# KiCad board Mainboard.kicad_pcb (continued)
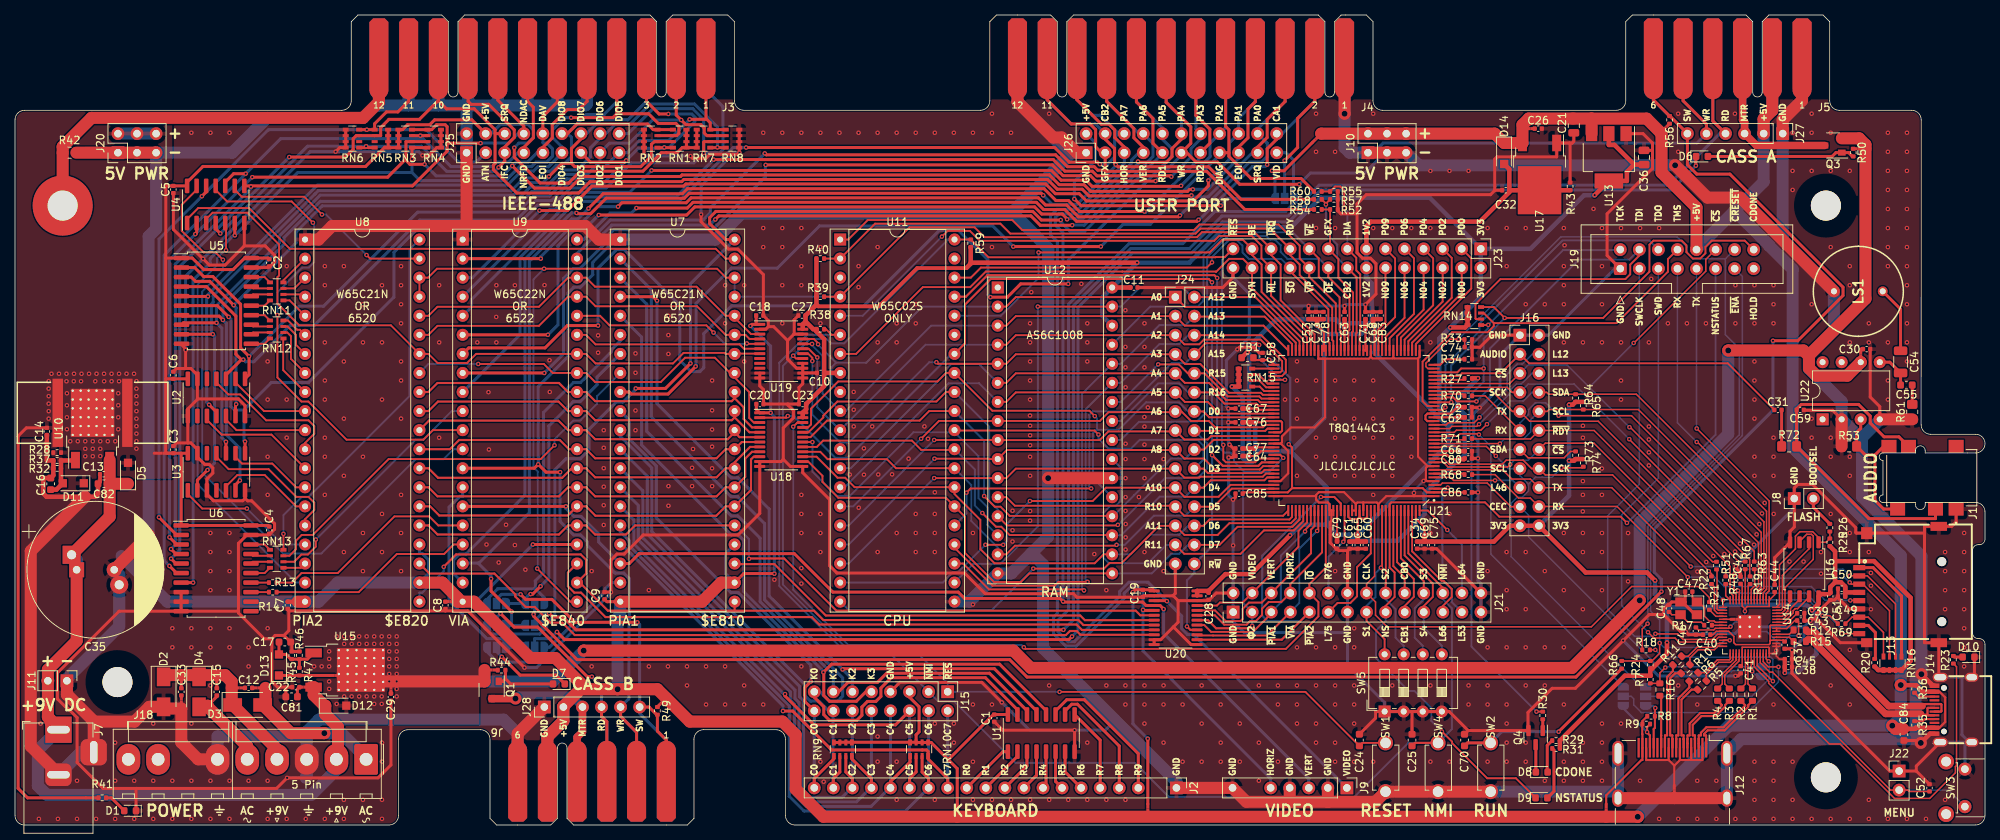
[diagram p0: board, top side]
## Routing (per net, layer and track width the routed paths; a pad name or vN(x,y) marks a point on that pad's centre or on a via; arc(x,y) is an arc through that point) (continued)
  Bottom w0.28: v1(187.7,45.85) 186.41,44.56 v1(186.41,44.25)
  Bottom w0.4: v1(90.01,89.15) 90,89.16 v1(83.7,89.16) ; v1(91.42,81.36) 91.42,85.18 95.83,89.59 v1(96.53,89.59) ; 238.36,26.41 U14.57 ; 238.36,26.41 238.36,24.91 v1(236.78,23.33) ; 238.36,26.41 238.42,26.41 v1(239.23,27.22) ; 177.56,25.65 J21.13 J21.14 ; 177.56,25.65 177.56,21.27 182.5,16.33 SW5.1 ; 177.56,25.65 163.79,25.65 162.31,27.12 J21.1 J21.2 v1(162.31,37.26) 162.31,43.35 v1(162.3,43.37) 161.72,43.95 v1(161.72,48.98) ; 162.3,74.24 162.3,72.99 164.47,70.82 164.47,69.17 ; J14.S1 260.41,11.04 ; 260.41,11.04 260.08,11.04 ; 260.41,11.04 259.43,12.02 259.43,19.69 ; 164.47,69.17 164.47,64.98 v1(162.88,63.39) 161.41,61.92 161.41,55.78 v1(161.68,55.51) v1(161.68,53.67) 161.68,50.85 v1(161.84,50.69) ; 164.47,69.17 v1(172.37,69.17) v1(177.16,69.17) 177.35,69.36 v1(179.94,69.36) ; v1(229.25,19.87) 219,19.87 v1(214.29,24.58) ; v1(22.73,63.3) 22.73,73.13 v1(25.06,75.46) 39.33,89.74 v1(42.72,89.74) 53.79,89.74 v1(54.3,89.23) ; SW3.1 259.82,10.78 260.08,11.04 ; J21.27 J21.28 195.33,32.17 194.94,32.56 v1(194.94,44.33) 194.94,48.85 v1(194.94,48.85) 194.94,51.17 194.36,51.74 194.36,54.83 v1(195.15,55.62) 197.88,58.34 197.88,62.63 J16.1 J16.2 204.32,65.28 213.19,74.15 J19.1 ; J14.S1 260.08,11.04 ; U14.57 229.87,26.2 229.16,25.49 222.88,25.49 v1(222.62,25.75) ; PT9.2 37.02,6.28 v1(36.26,6.28) ; 259.43,19.69 J14.S1 ; 259.43,19.69 J14.S1 ; PT33.2 145.28,12.64 v1(141.19,12.64) 135.19,12.64 v1(131.49,16.34) ; J8.1 237.09,42.26 v1(229.31,34.48) ; v1(67.88,20.98) 69.48,20.98 79.41,30.9 v1(79.41,31.04)
  Bottom w1.6: 52.42,95.91 48.49,95.91 ; 52.42,95.91 56.4,95.91 ; 52.42,95.91 52.45,95.94 J3.M ; 48.49,95.91 48.49,95.91 48.49,96.95 48.49,96.95 J3.N ; 48.49,95.91 48.06,95.91 46.38,94.23 33.57,94.23 28.94,89.6 J20.5 18.8,79.44 17.81,78.45 v2(17.81,38.68) ; 133.06,81.48 137.69,76.85 137.69,75.77 137.67,75.74 v2(137.67,46.23) 137.67,38.44 135.4,36.18 ; 133.06,81.48 133.06,81.86 140.8,89.6 ; 133.06,81.48 96.79,81.48 93.33,78.02 U7.1 ; J12.SH J12.SH 230,11.44 253.07,11.44 253.26,11.63 ; 38.87,11.81 26.99,11.81 J18.6 ; 38.87,11.81 38.87,12.43 40.47,14.04 65.1,14.04 66.98,12.17 ; 38.87,11.81 J18.3 38.87,6.42 PT9.1 ; 146.48,14.06 136.99,23.56 136.99,34.71 135.51,36.18 135.4,36.18 ; 146.48,14.06 154.76,5.79 J2.1 ; 146.48,14.06 PT33.1 ; J4.12 133.58,96.38 140.36,89.6 140.8,89.6 ; J6.1,A 66.98,11.06 66.98,12.17 ; 72.31,95.91 72.26,95.95 J3.F ; 72.31,95.91 76.04,95.91 76.23,96.1 J3.E ; 72.31,95.91 68.38,95.91 ; 66.98,12.17 J28.1 ; 64.51,95.91 64.34,96.08 64.34,97.99 J3.J ; 64.51,95.91 68.38,95.91 ; 64.51,95.91 60.45,95.91 ; J10.5 187.04,87.92 v2(221.21,87.92) ; 246.11,51.62 245.83,51.62 243.4,54.05 U22.2 243.4,56.43 239.03,60.8 239.03,62.58 242.37,65.93 LS1.2 242.36,71.12 235.54,77.94 J27.1 235.54,93.99 238.12,96.57 J5.1,A ; 246.11,51.62 248.48,53.98 PT36.1 ; 246.11,51.62 246.11,43.75 254.03,35.84 v2(254.03,20.1) 253.26,19.33 253.26,11.63 ; C35.2 13.89,33.34 C35.2 13.89,26.48 6.92,19.51 J11.1 ; 56.4,95.91 60.45,95.91 ; 56.4,95.91 56.41,95.93 J3.L ; 60.45,95.91 60.38,95.98 ; 68.38,95.91 68.3,95.99 68.3,97.99 J3.H ; 60.38,95.98 J3.K ; 60.38,95.98 60.17,95.78 J25.2 J25.1 ; 213.6,4.44 J12.SH ; 213.6,4.44 SW2.1 ; 213.6,4.44 213.6,6.89 213.6,6.89 J12.SH ; J7.2 8.79,9.7 J7.3 ; J4.1 v2(177.16,94.8) 177.16,90.27 177.83,89.6 J10.1 ; 135.4,36.18 132.75,33.53 U12.16 127.19,29.77 U11.21 ; 140.8,89.6 J26.1 ; 253.26,11.63 v2(253.95,10.94)
  vias: v1(3.18,0.82) v1(3.42,13.52) v1(5.72,0.82) v1(8.26,5.9) v1(8.26,0.82) v1(10.8,0.82) v1(13.34,10.98) v1(13.34,5.9) v1(13.34,0.82) v1(15.88,5.9) v1(15.88,0.82) v1(18.42,13.52) v1(18.42,5.9) v1(18.42,0.82) v1(20.96,26.22) v1(20.96,23.68) v1(20.96,5.9) v1(20.96,0.82) v1(23.5,92.26) v1(23.5,26.22) v1(23.5,23.68) v1(23.5,13.52) v1(23.5,5.9) v1(23.5,0.82) v1(26.04,92.26) v1(26.04,38.92) v1(26.04,36.38) v1(26.04,33.84) v1(26.04,31.3) v1(26.04,26.22) v1(26.04,23.68) v1(26.04,18.6) v1(26.04,5.9) v1(26.04,0.82) v1(28.58,92.26) v1(28.58,38.92) v1(28.58,36.38) v1(28.58,33.84) v1(28.58,31.3) v1(28.58,26.22) v1(28.58,23.68) v1(28.58,5.9) v1(28.58,0.82) v1(31.12,23.68) v1(31.12,21.14) v1(31.12,5.9) v1(33.66,61.78) v1(33.66,56.7) v1(33.66,49.08) v1(33.66,44) v1(33.66,26.22) v1(33.66,5.9) v1(33.66,0.82) v1(36.2,74.48) v1(36.2,56.7) v1(36.2,51.62) v1(36.2,0.82) v1(38.74,0.82) v1(41.28,74.48) v1(41.28,71.94) v1(41.28,64.32) v1(41.28,59.24) v1(41.28,56.7) v1(41.28,51.62) v1(41.28,49.08) v1(41.28,44) v1(41.28,0.82) v1(43.82,74.48) v1(43.82,61.78) v1(43.82,54.16) v1(43.82,46.54) v1(43.82,36.38) v1(43.82,3.36) v1(43.82,0.82) v1(46.36,69.4) v1(46.36,64.32) v1(46.36,49.08) v1(46.36,38.92) v1(46.36,33.84) v1(46.36,3.36) v1(48.9,71.94) v1(48.9,64.32) v1(48.9,56.7) v1(48.9,41.46) v1(48.9,36.38) v1(48.9,10.98) v1(48.9,8.44) v1(48.9,3.36) v1(48.9,0.82) v1(51.44,74.48) v1(51.44,71.94) v1(51.44,69.4) v1(51.44,66.86) v1(51.44,61.78) v1(51.44,59.24) v1(51.44,54.16) v1(51.44,44) v1(51.44,38.92) v1(51.44,33.84) v1(56.52,71.94) v1(56.52,64.32) v1(56.52,51.62) v1(61.6,64.32) v1(62.83,37.38) v1(63.09,57.68) v1(63.15,50.04) v1(64.12,67.71) v1(64.14,71.94) v1(64.14,64.32) v1(64.45,34.98) v1(65.43,40.01) v1(66.61,71.94) v1(66.61,37.31) v1(68.01,34.03) v1(70.56,71.95) v1(71.22,61.94) v1(71.26,57.71) v1(76.84,33.84) v1(76.84,21.14) v1(77.7,65.25) v1(77.7,62.95) v1(78.45,52.61) v1(78.45,50.27) v1(78.45,47.55) v1(78.45,45.08) v1(78.45,42.61) v1(78.45,39.98) v1(82.68,62.85) v1(82.68,60.27) v1(82.68,55.24) v1(82.68,52.61) v1(84.46,31.3) v1(84.46,21.14) v1(87,21.14) v1(87.07,67.86) v1(87.06,65.29) v1(87.07,62.78) v1(87.07,45.16) v1(87.07,42.54) v1(89.54,21.14) v1(89.54,18.6) v1(90.22,47.6) v1(90.22,45.16) v1(90.35,50.11) v1(92.08,21.14) v1(92.08,16.06) v1(92.89,59.24) v1(92.89,55.26) v1(92.89,52.7) v1(92.89,50.42) v1(92.89,47.54) v1(92.89,45.16) v1(94.62,71.94) v1(94.62,66.86) v1(94.62,21.14) v1(94.62,16.06) v1(97.16,71.94) v1(97.16,61.78) v1(97.16,18.6) v1(97.16,16.06) v1(99.7,92.26) v1(99.7,79.56) v1(99.7,77.02) v1(99.7,16.06) v1(101.19,32.69) v1(102.24,92.26) v1(102.24,79.56) v1(102.24,77.02) v1(102.24,71.94) v1(102.24,66.86) v1(104.78,92.26) v1(104.78,79.56) v1(104.78,74.48) v1(104.78,71.94) v1(104.78,44) v1(104.78,41.46) v1(104.78,38.92) v1(104.78,34.23) v1(104.78,32.17) v1(104.78,21.14) v1(107.32,92.26) v1(107.32,77.02) v1(107.32,66.86) v1(107.32,41.46) v1(107.32,38.92) v1(107.32,36.38) v1(107.32,8.44) v1(107.76,5.77) v1(109.86,92.26) v1(111.23,46.7) v1(111.76,57.72) v1(111.76,55.34) v1(111.76,53.12) v1(112.4,92.26) v1(112.4,74.48) v1(112.4,71.68) v1(112.42,42.28) v1(113.11,50.2) v1(113.12,46.68) v1(114.22,53.12) v1(114.94,92.26) v1(114.94,77.02) v1(114.94,64.32) v1(114.94,61.78) v1(115.03,46.71) v1(114.94,36.38) v1(114.94,11.79) v1(114.94,8.44) v1(116.87,46.73) v1(117.48,92.26) v1(117.48,66.86) v1(117.48,64.32) v1(117.48,38.92) v1(117.48,8.44) v1(117.48,3.36) v1(119.07,48.82) v1(120.02,92.26) v1(120.02,69.4) v1(120.02,66.86) v1(120.02,41.46) v1(120.02,38.92) v1(120.02,36.38) v1(121.18,53.12) v1(121.66,51.47) v1(122.56,92.26) v1(122.56,44.34) v1(122.56,41.46) v1(122.56,38.92) v1(122.56,36.38) v1(122.56,13.52) v1(122.56,3.36) v1(125.1,92.26) v1(125.1,13.52) v1(125.1,10.98) v1(127.64,92.26) v1(127.64,38.92) v1(127.64,29.39) v1(127.64,16.06) v1(127.64,8.44) v1(127.64,3.36) v1(130.18,94.8) v1(130.18,92.26) v1(130.18,77.02) v1(130.18,16.06) v1(130.18,3.36) v1(132.72,92.26) v1(132.72,3.36) v1(132.92,41.88) v1(132.92,39.28) v1(132.92,37.78) v1(135.26,66.86) v1(135.26,64.32) v1(135.26,61.78) v1(135.26,59.24) v1(135.26,56.7) v1(135.25,54.57) v1(135.26,53.21) v1(135.26,51.93) v1(135.26,50.61) v1(135.26,49.08) v1(135.26,46.54) v1(135.26,41.84) v1(135.26,40.56) v1(135.26,3.36) v1(135.42,71.01) v1(137.8,94.8) v1(137.8,18.6) v1(137.8,3.36) v1(140.34,3.36) v1(142.09,72.12) v1(142.88,66.86) v1(142.88,64.32) v1(142.88,61.78) v1(142.88,10.98) v1(142.88,3.36) v1(143.82,36.1) v1(145.42,31.3) v1(145.42,18.6) v1(145.42,3.36) v1(147.96,68.6) v1(147.96,63.71) v1(147.97,60.99) v1(147.98,58.33) v1(147.98,50.81) v1(147.98,48.77) v1(147.98,46.23) v1(147.98,43.69) v1(147.98,41.86) v1(148,40.11) v1(147.99,38.33) v1(147.98,36.71) v1(147.96,18.6) v1(147.96,16.06) v1(147.96,3.36) v1(149.76,43.71) v1(150.5,66.86) v1(150.5,63.71) v1(150.5,60.99) v1(150.49,54.37) v1(150.5,53.09) v1(150.5,50.69) v1(150.5,48.77) v1(150.5,46.23) v1(150.5,36.38) v1(150.5,18.6) v1(150.5,16.06) v1(150.5,13.52) v1(150.95,55.65) v1(153.04,48.77) v1(153.04,33.84) v1(153.04,18.6) v1(153.04,16.06) v1(153.04,10.98) v1(155.58,16.06) v1(155.58,8.44) v1(158.12,18.6) v1(158.12,13.52) v1(158.12,8.44) v1(160.66,16.06) v1(160.66,10.98) v1(160.66,8.44) v1(163.2,13.52) v1(163.2,8.44) v1(165.74,18.6) v1(165.74,10.98) v1(165.74,5.9) v1(168.28,18.6) v1(168.28,16.06) v1(168.28,8.44) v1(169.23,56.7) v1(170.82,61.78) v1(170.82,59.24) v1(170.82,56.7) v1(170.82,54.16) v1(170.82,46.54) v1(170.82,23.68) v1(170.82,18.6) v1(170.82,16.06) v1(170.82,13.52) v1(173.36,94.8) v1(173.36,89.72) v1(173.36,79.56) v1(173.36,59.24) v1(173.36,56.7) v1(173.36,51.62) v1(173.36,49.08) v1(173.36,23.68) v1(173.36,18.6) v1(173.36,13.52) v1(173.36,10.98) v1(175.9,89.72) v1(175.9,79.56) v1(175.9,59.24) v1(175.9,56.7) v1(175.9,54.16) v1(175.9,51.62) v1(175.9,49.08) v1(175.9,46.54) v1(175.9,33.84) v1(175.9,23.68) v1(175.9,18.6) v1(175.9,16.06) v1(175.9,10.98) v1(175.9,8.44) v1(178.44,59.24) v1(178.44,56.7) v1(178.44,54.16) v1(178.44,51.62) v1(178.44,49.08) v1(178.44,46.54) v1(178.44,26.22) v1(178.44,23.68) v1(178.44,18.6) v1(178.44,16.06) v1(178.44,13.52) v1(178.44,8.44) v1(180.98,94.8) v1(180.98,79.56) v1(180.98,59.24) v1(180.98,56.7) v1(180.98,54.16) v1(180.98,51.62) v1(180.98,49.08) v1(180.98,46.54) v1(180.98,44) v1(180.98,8.44) v1(183.52,79.56) v1(183.52,56.7) v1(183.52,54.16) v1(183.52,51.62) v1(183.52,49.08) v1(183.52,46.54) v1(183.52,18.6) v1(186.06,79.56) v1(186.06,54.16) v1(186.06,51.62) v1(186.06,49.08) v1(188.6,87.18) v1(188.6,79.56) v1(188.6,64.32) v1(188.6,38.92) v1(188.6,18.6) v1(188.6,8.44) v1(191.14,87.18) v1(191.14,41.46) v1(191.14,8.44) v1(193.68,87.18) v1(193.68,18.6) v1(193.68,16.06) v1(196.22,79.56) v1(196.22,33.84) v1(196.22,23.68) v1(196.22,18.6) v1(196.22,16.06) v1(196.22,8.44) v1(198.76,79.56) v1(198.76,74.48) v1(198.75,36.38) v1(198.76,31.3) v1(198.76,28.76) v1(198.76,23.68) v1(198.76,16.06) v1(198.76,13.52) v1(198.76,10.98) v1(198.76,8.44) v1(201.3,79.56) v1(201.3,69.4) v1(201.3,36.38) v1(201.3,28.76) v1(201.3,23.68) v1(201.3,18.6) v1(201.3,10.98) v1(201.3,8.44) v1(203.84,69.4) v1(203.84,33.84) v1(203.84,23.68) v1(203.84,18.6) v1(203.84,5.9) v1(206.38,79.56) v1(206.38,74.48) v1(206.38,71.94) v1(206.38,69.4) v1(206.38,64.32) v1(206.38,38.92) v1(206.38,31.3) v1(206.38,23.68) v1(206.38,16.06) v1(206.38,8.44) v1(206.38,5.9) v1(206.48,77.26) v1(208.92,64.32) v1(208.92,53.2) v1(208.92,51.62) v1(208.92,45.83) v1(208.92,44) v1(208.91,41.79) v1(208.92,38.92) v1(208.92,36.38) v1(208.92,28.76) v1(208.92,10.98) v1(208.92,8.44) v1(208.92,5.9) v1(210.33,82.11) v1(211.46,79.56) v1(211.46,74.48) v1(211.46,69.4) v1(211.46,64.32) v1(211.46,47.51) v1(211.46,44) v1(211.46,38.92) v1(211.46,36.38) v1(211.46,31.3) v1(211.46,13.52) v1(211.46,10.98) v1(211.46,8.44) v1(211.46,5.9) v1(214,79.56) v1(214,64.32) v1(214,59.24) v1(214,56.7) v1(214,13.52) v1(214.94,38.91) v1(214.94,32.47) v1(216.54,79.56) v1(216.54,5.9) v1(217.71,64.32) v1(217.71,53.11) v1(217.71,51.38) v1(217.71,49.66) v1(217.71,47.92) v1(218.03,72.78) v1(219.08,79.56) v1(219.08,0.82) v1(220.24,66.86) v1(221.62,94.8) v1(221.62,89.72) v1(221.62,18.6) v1(221.62,0.82) v1(222.78,66.86) v1(224.17,33.77) v1(224.16,16.06) v1(224.16,5.9) v1(224.16,0.82) v1(225.31,66.86) v1(225.36,35.05) v1(226.29,35.85) v1(226.7,5.9) v1(226.7,0.82) v1(227.77,36.11) v1(229.18,94.8) v1(229.2,36.44) v1(229.24,71.94) v1(229.24,66.86) v1(229.24,0.82) v1(229.86,37.5) v1(231.72,37.36) v1(231.78,71.94) v1(231.78,66.86) v1(231.78,61.78) v1(231.78,59.24) v1(231.78,56.7) v1(231.78,54.16) v1(231.78,49.08) v1(231.78,46.54) v1(231.78,8.44) v1(231.78,5.9) v1(231.78,3.36) v1(231.78,0.82) v1(232.07,38.74) v1(232.43,40.11) v1(232.79,41.52) v1(233.14,42.93) v1(234.32,71.94) v1(234.32,69.4) v1(234.32,66.86) v1(234.32,51.62) v1(234.32,49.08) v1(234.32,46.54) v1(234.32,16.06) v1(234.32,8.44) v1(234.32,5.9) v1(234.32,3.36) v1(234.32,0.82) v1(234.35,41.46) v1(236.45,35.11) v1(236.86,92.26) v1(236.86,87.18) v1(236.86,84.64) v1(236.86,8.44) v1(236.86,3.36) v1(236.86,0.82) v1(238.33,35.11) v1(239.4,94.8) v1(239.4,92.26) v1(239.4,87.18) v1(239.4,69.4) v1(239.4,54.16) v1(239.4,51.62) v1(239.4,0.82) v1(240.65,36.38) v1(240.65,33.5) v1(241.94,92.26) v1(241.94,87.18) v1(241.94,77.02) v1(241.94,51.62) v1(241.94,49.08) v1(241.94,41.46) v1(241.94,18.6) v1(241.94,0.82) v1(244.48,87.18) v1(244.48,74.48) v1(244.48,71.94) v1(244.48,64.32) v1(244.48,49.08) v1(244.48,46.54) v1(244.48,38.92) v1(244.48,36.38) v1(244.49,23.34) v1(244.48,16.06) v1(244.48,0.82) v1(247.02,66.86) v1(247.02,64.32) v1(247.02,36.38) v1(247.02,3.36) v1(247.02,0.82) v1(247.3,33.59) v1(247.3,31.89) v1(247.3,28.76) v1(249.56,92.26) v1(249.56,89.72) v1(249.56,87.18) v1(249.56,84.64) v1(249.56,82.1) v1(249.56,79.56) v1(249.56,77.02) v1(249.56,74.48) v1(249.56,64.32) v1(249.56,59.24) v1(249.56,56.7) v1(249.56,0.82) v1(252.1,92.26) v1(252.1,89.72) v1(252.1,87.18) v1(252.1,84.64) v1(252.1,82.1) v1(252.1,79.56) v1(252.1,77.02) v1(252.1,74.48) v1(252.1,71.94) v1(252.1,69.4) v1(252.1,66.86) v1(252.1,64.32) v1(252.1,61.78) v1(252.1,0.82) v1(254.64,0.82) v1(257.18,36.38) v1(257.18,33.84) v1(257.18,31.3) v1(257.18,28.76) v1(257.18,3.36) v1(259.72,38.92) v1(259.72,36.38) v1(259.72,33.84) v1(259.72,31.3) v1(259.72,28.76) v1(259.72,26.22) v1(259.72,23.68) v1(259.72,21.14)
/CASS/CASS1_READ: length 156.3
  Top w0.4: v1(90,61.52) 90,61.51 86.67,58.18 v1(82.72,58.18) ; J4.8 149.43,96.36 151.63,94.16 151.63,90.85 J26.9 ; v1(139.34,80.63) 136.76,80.63 135.61,81.77 93.39,81.77 92.56,80.94 92.56,80.15 94.69,78.02 U7.40
  Bottom w0.4: U7.40 90,72.14 v1(90,61.52) ; J26.9 152.88,89.47 142.54,79.13 140.58,79.13 139.34,80.37 v1(139.34,80.63) ; v1(82.72,58.18) 82.72,58.06 81.02,56.37 80.11,56.37 77.58,53.84 76.5,52.75 76.5,49.99 75.32,48.81 73.42,48.81 71.93,47.32 71.93,27.98 JP3.1 70.55,26.08 69.91,25.45 63.45,25.45 62.87,26.04 JP4.3
/CASS/CASS2_READ: length 165.9
  Top w0.4: J26.13 159.21,90.85 159.21,92.73 157.35,94.58 J4.6 ; v1(150.49,81.76) 141.84,81.76 140.37,83.22 138.7,83.22 137.12,84.8 89.6,84.8 88.93,84.13 78.38,84.13 v1(76.42,82.17) ; v1(63.43,32.81) 63.43,31.17 v1(66.17,28.44)
  Bottom w0.4: 61.77,34.84 63.43,33.18 v1(63.43,32.81) ; 61.77,34.84 61.7,34.91 59.72,34.91 U9.18 ; 61.77,34.84 68.53,41.61 68.53,43.7 68.54,43.7 68.54,75.13 74.17,80.77 75.02,80.77 v1(76.42,82.17) ; v1(150.49,81.76) 150.63,81.62 154.27,85.26 155.08,86.07 157.96,88.96 157.96,89.23 J26.13 ; 66.17,26.6 v1(66.17,28.44) ; 66.17,26.6 67.95,26.6 JP3.3 ; 66.17,26.6 65.47,26.6 JP4.1
/CASS/CASS_A_MOTOR: length 23.2
  Top w1: Q3.3 232.05,90.56 J27.3 230.46,93.7 230.2,93.96 J5.3,C
  Bottom w1: J5.3,C 230.2,93.97 230.46,93.7 J27.3
/CASS/CASS_A_READ: length 225.6
  Top w0.4: J27.4 226.24,93.83 J5.4,D ; v1(71.16,28.23) 71.68,27.72 73.04,27.72 74.09,26.67 74.75,26.01 v1(139.7,26.01)
  Bottom w0.4: v1(71.16,28.23) 70.25,28.23 69.25,27.23 JP3.2 ; v1(139.7,26.01) 141.03,27.34 141.03,69.2 148.66,76.83 156.49,76.83 160.82,81.16 169.66,81.16 173.77,85.27 220.29,85.27 227.17,92.15 J27.4 227.18,92.89 227.17,92.89 226.24,93.82 J5.4,D
/CASS/CASS_A_~{SWITCH}: length 260.6
  Top w0.4: v1(234.25,64.54) 237.56,64.54 243.58,70.56 243.58,71.67 228.51,86.74 224.1,86.74 222.84,88 J27.6 222.84,92.17 220.53,94.48 R56.2 218.35,96.6 218.31,96.6 J5.6,F ; v1(69.1,28.07) 69.1,27.84 74.9,22.04 132.53,22.04 134.86,19.72 207.99,19.72 v1(219.39,31.11)
  Bottom w0.4: J5.6,F 218.31,96.61 222.78,92.15 J27.6 ; v1(69.1,28.07) 69.25,28.22 JP1.2 ; v1(219.39,31.11) 219.39,32.73 218.44,33.68 218.44,39.46 234.25,55.27 v1(234.25,64.54)
/CASS/CASS_B_MOTOR: length 25.1
  Top w1: J28.3 75.61,12.42 74.9,11.7 J6.3,C ; Q1.3 66.68,16.84 v2(66.69,16.85)
  Bottom w1: v2(66.69,16.85) 67.14,17.3 74.04,17.3 J28.3 75.61,12.43 74.9,11.71 J6.3,C
/CASS/CASS_B_READ: length 34.2
  Top w0.4: J6.4,D 78.86,13.76 78.15,14.47 J28.4 ; v1(64.69,28.19) 66.5,26.38 69.65,26.38 76.26,19.77 v1(76.86,19.77)
  Bottom w0.4: v1(76.86,19.77) 78.15,18.48 J28.4 78.15,14.47 78.87,13.75 78.87,9.97 J6.4,D ; JP4.2 64.17,27.75 64.25,27.75 v1(64.69,28.19)
/CASS/CASS_B_~{SWITCH}: length 47.8
  Top w0.4: J28.6 84.48,15.72 85.5,14.7 R49.2 85.6,12.51 86.79,11.32 J6.6,F ; v1(67.37,30.74) 68.04,30.07 71.54,30.07 74.6,27.01 v1(82.93,27.01)
  Bottom w0.4: v1(67.37,30.74) 64.82,30.74 64.17,30.08 JP2.2 ; v1(82.93,27.01) 83.23,26.71 J28.6 83.23,14.88 86.79,11.32 J6.6,F
/CASS/CASS_WRITE: length 282.4
  Top w0.4: J27.5 225.38,93.4 222.28,96.51 J5.5,E ; U9.13 69.19,47.54 v1(69.72,48.07) 70.76,47.03 v1(72.63,47.03) ; v1(151.98,85.81) 144.02,85.81 143.3,86.53 139.65,86.53 138.21,87.97 v1(100.03,87.97) ; J4.7 153.39,96.33 156.67,93.05 156.67,90.85 J26.11 156.13,89.6 157.38,88.35 160.23,88.35 163.19,85.39 v1(171.12,85.39) ; J6.5,E 82.83,12.35 80.69,14.49 J28.5
  Bottom w0.4: J5.5,E 222.28,96.51 225.38,93.4 J27.5 224.1,90.87 182.3,90.87 181.56,90.13 181.56,88.59 179.86,86.89 172.62,86.89 v1(171.12,85.39) ; J6.5,E 82.83,12.34 80.69,14.47 J28.5 81.8,16.83 81.8,27.23 81.86,27.3 81.86,32.84 81.12,33.57 79.96,33.57 76.29,37.24 76.29,37.72 75.35,38.65 74.45,38.65 72.63,40.46 v1(72.63,47.03) ; J26.11 155.42,89.26 v1(151.98,85.81) ; v1(69.72,48.07) 69.72,58.44 73.69,62.42 73.69,70.9 74.46,71.67 75.33,71.67 76.99,73.33 76.99,75 79.22,77.23 79.22,78.77 79.79,79.35 92.96,79.35 93.45,79.84 93.45,79.84 99.98,86.37 99.98,87.93 v1(100.03,87.97)
/CASS/~{CASS1_MOTOR}: length 23.9
  Bottom w0.4: U7.19 79.45,32.3 78.61,31.46 78.61,31.07 71.22,23.68 JP5.1 70.55,23.16 69.08,21.7 64.3,21.7 62.87,23.13 JP6.3
/CASS/~{CASS1_SWITCH}: length 49.1
  Bottom w0.4: JP1.1 70.55,30.27 69.33,31.48 ; 69.33,31.48 69.33,32.54 70.42,33.63 70.42,54.98 74.41,58.97 75.36,58.97 79.45,63.06 79.45,63.32 80.65,64.53 U7.6 ; 69.33,31.48 64.31,31.48 62.87,30.04 JP2.3
/CASS/~{CASS2_MOTOR}: length 29.1
  Bottom w0.4: U9.14 59.65,43.8 59.28,43.8 57.84,42.36 57.84,29.86 62.86,24.84 64.9,24.84 65.47,24.27 JP6.1 JP5.3
/CASS/~{CASS2_SWITCH}: length 41.8
  Top w0.4: v1(68.7,30.77) 68.98,30.77 v1(70.03,31.82)
  Bottom w0.4: v1(70.03,31.82) 71.13,32.92 71.13,53.17 74.39,56.43 75.32,56.43 77.56,58.67 77.56,59.69 U7.7 ; JP2.1 JP1.3 67.95,30.13 68.58,30.77 v1(68.7,30.77)
/CPU \ RAM/A0: length 78.9
  Top w0.25: v1(107.01,64.07) 107.01,64.21 106.45,64.77 U19.21 ; U21.70 170.66,64.28 165.91,69.03 155.93,69.03 J24.1 133.36,70.35 132.09,69.09 U12.2
  Bottom w0.25: U12.2 120.91,69.09 113.43,61.61 109.41,61.61 ; U11.9 108.79,58.86 108.79,60.99 109.41,61.61 ; v1(107.01,64.07) 107.01,64.01 109.41,61.61
/CPU \ RAM/A1: length 78.6
  Top w0.25: v1(106.21,64.11) 106.19,64.12 U19.20 ; U21.72 166.36,66.55 155.87,66.55 J24.3 133.36,67.81 132.09,66.55 U12.3
  Bottom w0.25: U12.3 122.06,66.55 110.68,55.17 U11.10 107.6,57.52 107.6,62.53 106.21,63.92 v1(106.21,64.11)
/CPU \ RAM/A2: length 81.9
  Top w0.25: 167.74,60.33 168.59,60.33 168.84,60.58 168.84,61.82 165.97,64.69 158.43,64.69 157.8,64.06 155.82,64.06 J24.5 133.36,65.27 132.09,64.01 U12.4 ; v1(106.9,62.31) 105.74,63.47 U19.19
  Bottom w0.25: U12.4 121.33,64.01 U11.11 106.9,55.68 v1(106.9,62.31)
/CPU \ RAM/A3: length 80.3
  Top w0.25: U19.18 105.68,62.82 106.24,62.26 v1(106.24,61.83) ; 167.74,57.33 166.27,57.33 166,57.6 161.78,57.6 157.95,61.43 155.91,61.43 J24.7 133.36,62.73 132.09,61.47 U12.5 122.98,61.47 v1(122.78,61.67)
  Bottom w0.25: 109.95,50.97 111.12,50.97 121.82,61.67 v1(122.78,61.67) ; 109.95,50.97 106.24,54.68 v1(106.24,61.83) ; 109.95,50.97 U11.12
/CPU \ RAM/A4: length 67
  Top w0.25: 167.74,56.33 165.92,56.33 165.6,56.64 161.38,56.64 159.1,58.92 155.88,58.92 J24.9 133.36,60.19 132.09,58.93 U12.6
  Bottom w0.25: U12.6 128.45,61.43 124.76,61.43 124.05,60.72 124.05,60.23 111.36,47.55 U11.13
/CPU \ RAM/A5: length 66.3
  Top w0.25: 167.74,54.83 160.49,54.83 158.93,56.38 155.88,56.38 J24.11 133.36,57.65 132.09,56.39 U12.7
  Bottom w0.25: U11.14 110.55,45.01 124.41,58.87 128.47,58.87 U12.7
/CPU \ RAM/A6: length 64
  Top w0.25: v1(120.74,51.47) 123.12,53.85 U12.8 144.55,53.85 145.71,55.01 154.51,55.01 J24.13 155.43,55.11 156.7,53.84 159.08,53.84 159.92,53 166.3,53 166.63,53.33 167.74,53.33
  Bottom w0.25: U11.15 111.7,42.47 120.7,51.47 v1(120.74,51.47)
/CPU \ RAM/A7: length 63.7
  Top w0.25: v1(122.47,51.31) U12.9 130.97,51.29 144.53,51.29 145.69,52.45 154.49,52.45 154.61,52.57 155.8,51.38 158.94,51.38 159.38,51.83 167.74,51.83
  Bottom w0.25: v1(122.47,51.31) 111.09,39.93 U11.16
/CPU \ RAM/A8: length 64.4
  Top w0.25: v1(122.52,48.82) 129.76,48.82 129.81,48.77 U12.10 132.15,49.97 154.55,49.97 J24.17 155.8,48.84 158.41,48.84 159.87,47.38 165.87,47.38 165.87,47.38 166.32,47.83 167.74,47.83
  Bottom w0.25: U11.17 111.09,37.39 v1(122.52,48.82)
/CPU \ RAM/A9: length 63.7
  Top w0.25: v1(122.47,46.23) U12.11 132.09,46.23 133.36,47.49 J24.19 155.8,46.3 157.82,46.3 157.94,46.42 166.27,46.42 166.68,46.83 167.74,46.83
  Bottom w0.25: v1(122.47,46.23) 111.09,34.85 U11.18
/CPU \ RAM/A10: length 65.6
  Top w0.25: v1(129.31,37.34) 129.31,37.34 v1(131.68,37.34) ; v1(135.24,43.17) 143.59,43.17 145.37,44.95 J24.21 155.82,43.74 160.37,43.74 161.96,45.33 167.74,45.33
  Bottom w0.25: v1(129.31,37.34) 125.67,33.7 124.97,33.7 124.05,32.78 124.05,32.72 123.64,32.31 U11.19 ; v1(135.24,43.17) 132.2,40.13 132.2,37.85 v1(131.68,37.34)
/CPU \ RAM/A11: length 68.3
  Top w0.25: U21.111 170.66,40.86 170.02,40.22 161.82,40.22 160.25,38.66 155.82,38.66 J24.25 152.42,39.87 147.47,34.93 145.86,34.93 145.1,34.17 v1(135.69,34.17)
  Bottom w0.25: v1(135.69,34.17) 130.13,28.61 111.11,28.61 U11.20
/CPU \ RAM/A12: length 83.5
  Top w0.25: U21.69 171.16,64.46 165.27,70.35 J24.2 ; U12.31 v1(136.29,69.09)
  Bottom w0.25: U11.22 127.68,34.8 131.31,34.8 136.29,39.78 v1(136.29,69.09) ; J24.2 156.85,70.35 155.66,71.55 149.79,71.55 147.33,69.09 U12.31
/CPU \ RAM/A13: length 79.7
  Top w0.25: U21.71 170.16,64.1 166.51,67.75 157.21,67.75 J24.4 ; U11.23 126.33,34.85 129.78,31.4 142.3,31.4 v1(142.44,31.26)
  Bottom w0.25: J24.4 155.96,66.62 152.5,66.62 147.33,61.47 U12.28 142.18,57.46 142.18,31.52 v1(142.44,31.26)
/CPU \ RAM/A14: length 79.1
  Top w0.25: 167.74,59.83 168.82,59.83 169.34,60.35 169.34,62 166.07,65.27 J24.6 ; U11.24 125.19,36.94 129.82,32.31 129.82,32.31 130.24,31.89 138.53,31.89 138.54,31.91 139.05,32.41 v1(142.91,32.41)
  Bottom w0.25: v1(142.91,32.41) 142.67,32.65 142.67,55.41 U12.27 147.33,58.93 152.49,64.08 155.14,64.08 156.33,65.27 J24.6
/CPU \ RAM/A15: length 66.4
  Top w0.25: v1(143.4,44.85) 127.33,44.85 v1(126.78,44.29) ; J24.8 158.63,64.21 165.55,64.21 v1(165.78,63.98) ; v1(169.23,59.33) 169.23,59.33 167.74,59.33
  Bottom w0.25: J24.8 155.96,61.54 154.12,61.54 147.71,55.13 143.62,55.13 143.15,54.66 143.15,45.1 v1(143.4,44.85) ; U11.25 126.78,41.52 v1(126.78,44.29) ; v1(165.78,63.98) 165.78,62.23 168.67,59.33 v1(169.23,59.33)
/CPU \ RAM/D0: length 83.7
  Top w0.25: 167.74,54.33 159.13,54.33 158.34,55.11 J24.14 ; U18.21 105.68,52.99 106.07,53.38 106.07,55.49 109.69,59.11 122.91,59.11 124.05,60.25 U11.33 130.23,55.21 143.16,55.21 v1(143.88,54.49)
  Bottom w0.25: 144.18,52.68 144.18,54.19 v1(143.88,54.49) ; 144.18,52.68 147.06,52.68 150.71,56.33 155.11,56.33 156.33,55.11 J24.14 ; 144.18,52.68 144.11,52.68 143.63,52.19 143.63,46.25 U12.21
/CPU \ RAM/D1: length 89.6
  Top w0.25: v1(146.96,40) 146.88,39.92 132.18,39.92 U12.13 ; U11.32 124.05,57.71 122.78,56.44 109.59,56.44 107.71,54.56 107.71,54.32 105.73,52.34 U18.20 ; 167.74,52.83 166.89,52.83 166.58,52.52 157.2,52.52 157.15,52.57
  Bottom w0.25: U12.13 130.95,42.05 129.81,43.2 129.81,53.09 125.19,57.71 U11.32 ; v1(146.96,40) 147,40 153.23,46.22 157.58,46.22 158.86,47.51 158.86,50.86 157.15,52.57
/CPU \ RAM/D2: length 78.6
  Top w0.25: v1(129.13,43.83) 130.55,42.42 131.32,42.42 132.54,41.2 146.14,41.2 U12.20 ; 167.74,51.33 159.72,51.33 158.42,50.03 J24.18 ; U11.31 121.82,55.17 120.55,53.9 108.21,53.9 106,51.69 U18.19
  Bottom w0.25: v1(129.13,43.83) 129.13,51.22 U11.31 ; U12.20 146.33,41.15 149.14,43.96 149.14,43.97 154.01,48.84 155.96,48.84 J24.18
/CPU \ RAM/D3: length 95.3
  Top w0.25: 167.74,47.33 166.5,47.33 166.07,46.9 158.95,46.9 158.35,47.49 J24.20 ; v1(106.25,51.04) 104.96,51.04 U18.18 ; U11.30 125.25,52.57 143.84,52.57 v1(144.37,52.03)
  Bottom w0.25: v1(144.37,52.03) 144.37,51.48 145.69,50.17 148.71,50.17 149.88,51.33 157.57,51.33 158.38,50.53 158.38,48.72 J24.20 ; U12.14 129.55,40.01 129.55,42.37 128.38,43.54 128.38,49.16 125.19,52.34 ; 125.19,52.34 U11.30 ; 125.19,52.34 119.73,52.34 111.25,43.86 109.48,43.86 106.25,47.09 v1(106.25,51.04)
/CPU \ RAM/D4: length 74.5
  Top w0.25: v1(128.9,41.58) 130.72,39.75 131.42,39.75 132.53,38.64 146.16,38.64 U12.19 ; 167.74,46.33 166.87,46.33 166.47,45.94 159.34,45.94 158.35,44.95 J24.22 ; U18.17 106.84,50.39 107.68,51.23 119.52,51.23 120.76,49.99 125.09,49.99 U11.29
  Bottom w0.25: U12.19 147.38,38.61 152.53,43.76 155.96,43.76 J24.22 ; v1(128.9,41.58) 127.9,42.58 127.9,47.38 U11.29
